# Allegro board RK_EVB1_RK3576_LP4XD200P132SD6_V12_20240530YWQ.brd (continued)
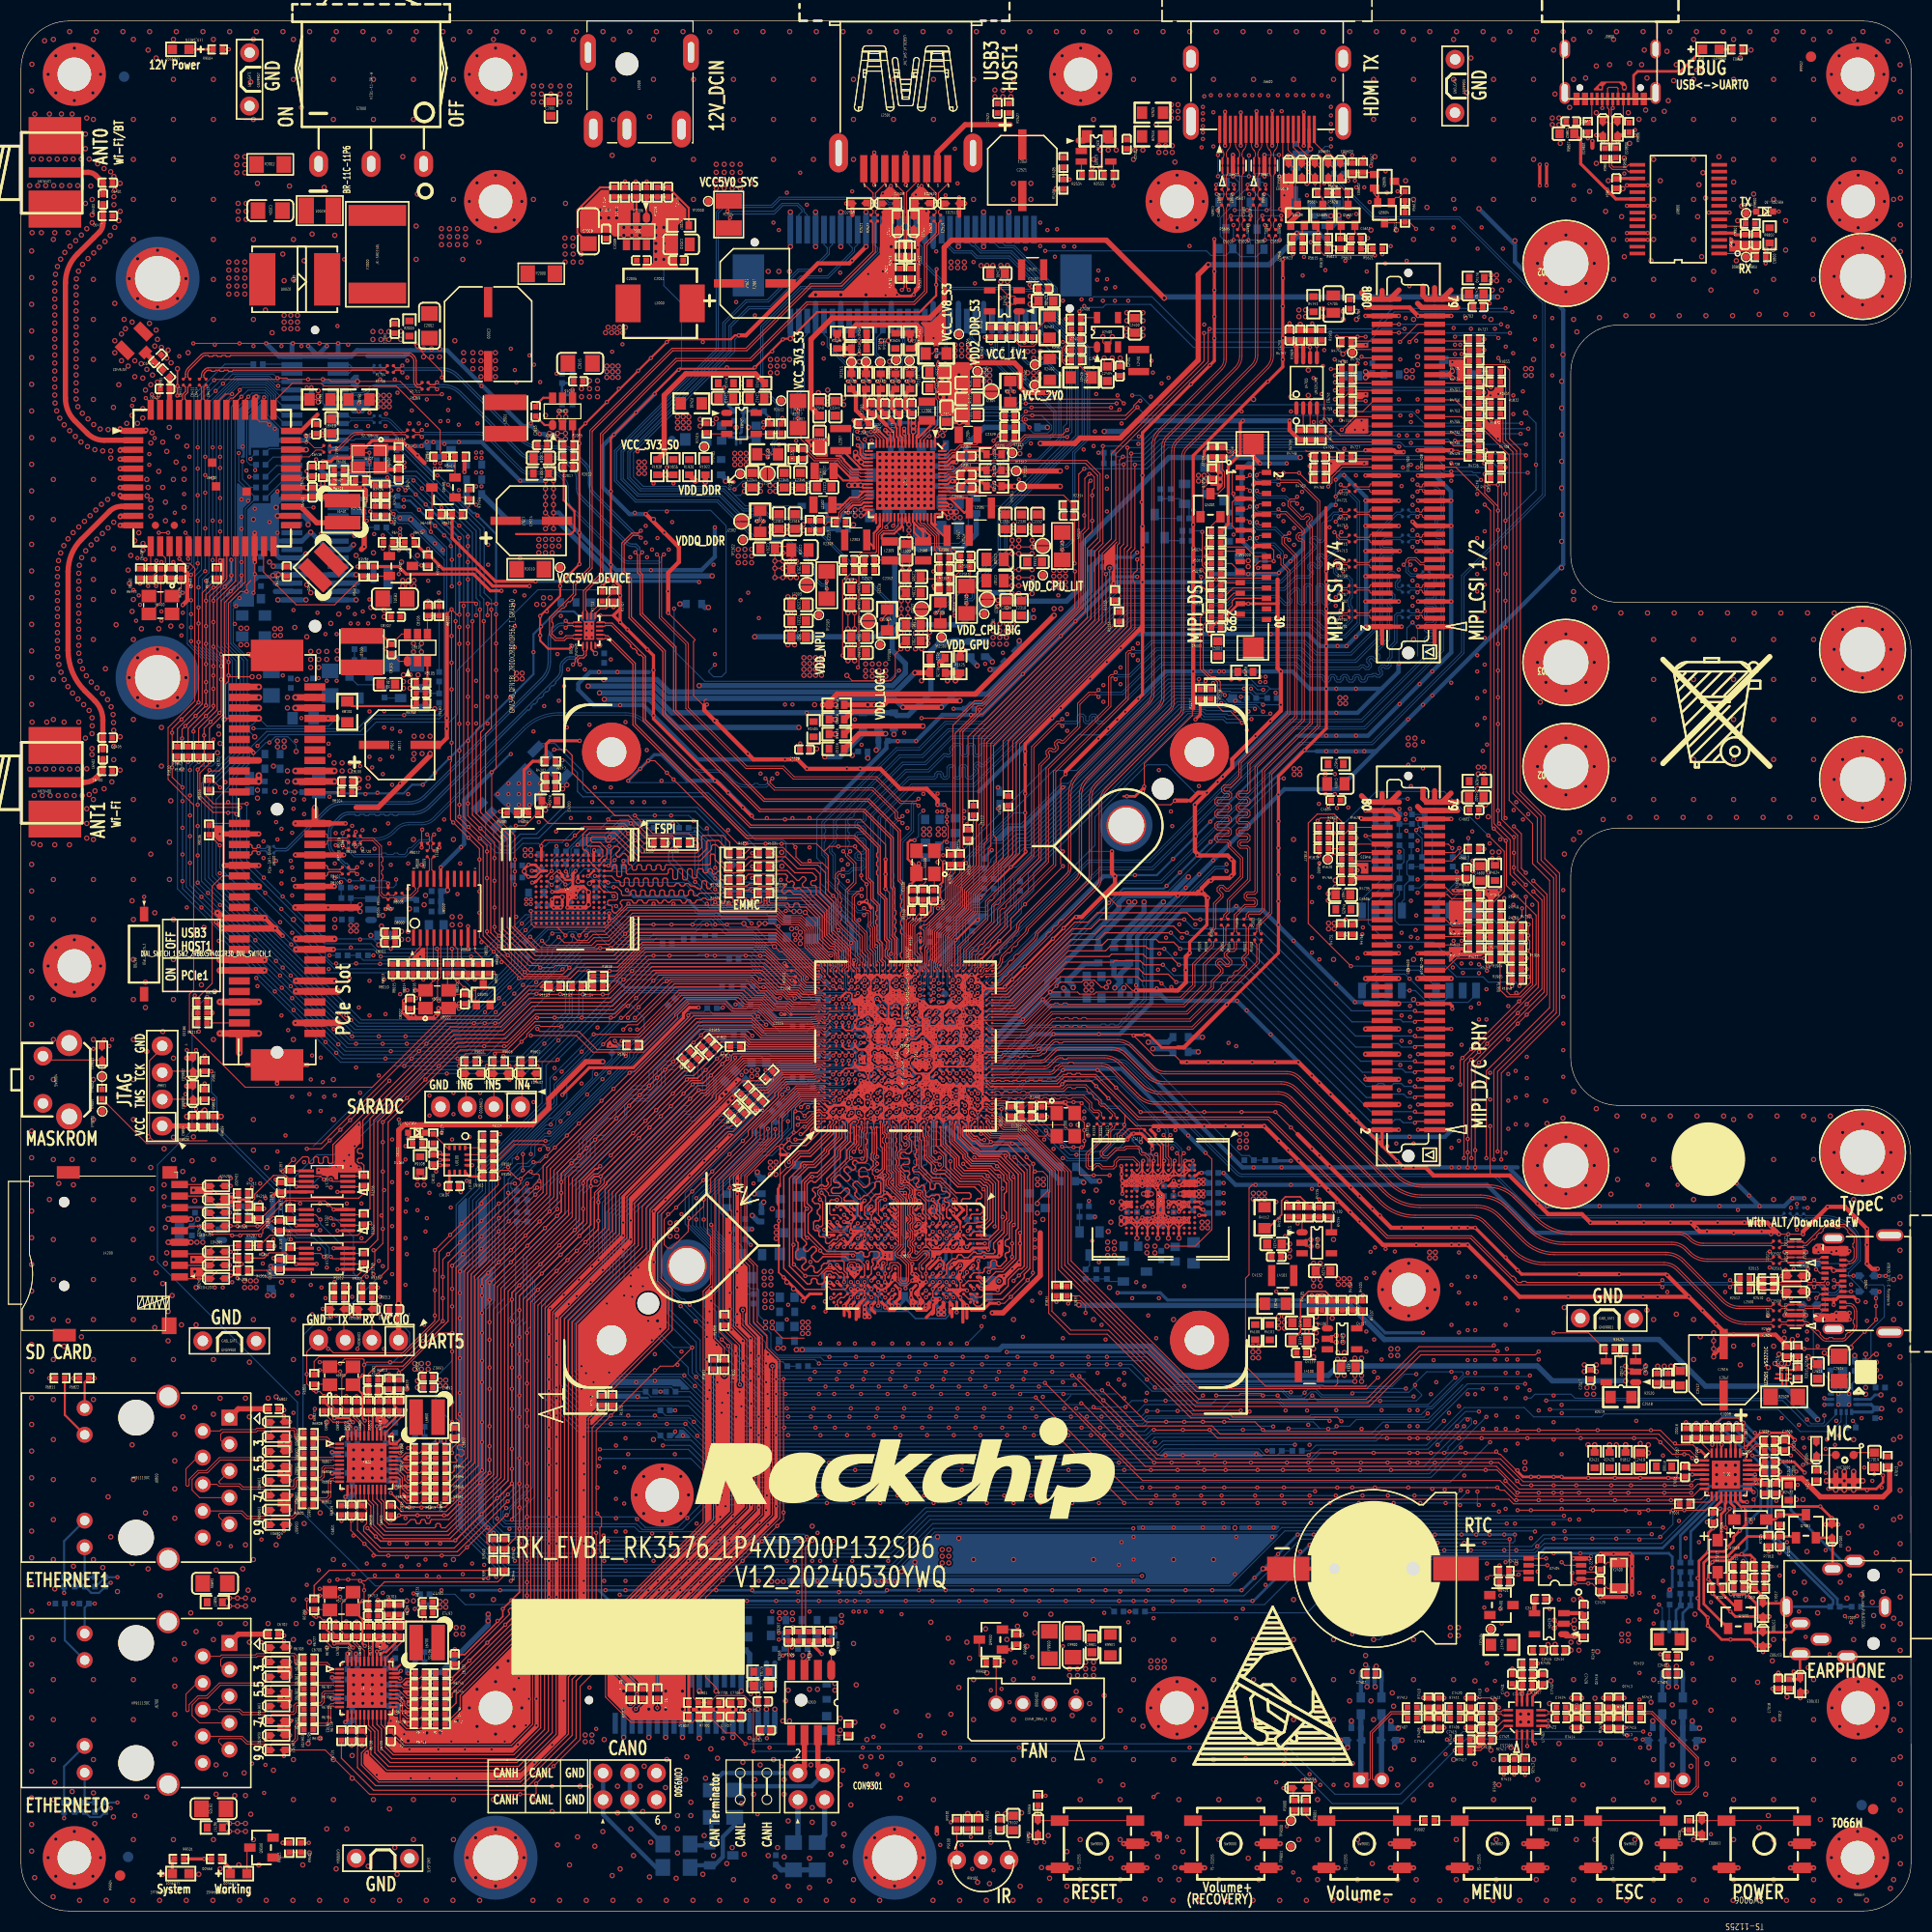
[diagram p0: board, top side]
## Routing (per net, layer and track width the routed paths; a pad name or vN(x,y) marks a point on that pad's centre or on a via; arc(x,y) is an arc through that point) (continued)
v2(85.46,136.9) v2(85.46,136.29) v2(85.46,135.68) v2(85.46,135.07) v2(85.46,134.46) v2(85.46,133.85) v2(85.64,16.71) v2(85.77,117.17) v2(85.91,178.99) v2(85.9,5.08) v2(86.07,138.73) v2(86.07,138.12) v2(86.07,137.51) v2(86.07,136.9) v2(86.07,136.29) v2(86.07,135.68) v2(86.07,135.07) v2(86.07,134.46) v2(86.07,133.85) v2(86.4,18.61) v2(86.68,138.73) v2(86.68,138.12) v2(86.68,137.51) v2(86.68,136.9) v2(86.68,136.29) v2(86.68,135.68) v2(86.68,135.07) v2(86.68,134.46) v2(86.68,133.85) v2(86.65,27.5) v2(86.86,1.01) v2(86.9,174.44) v2(86.9,170.63) v2(86.9,14.42) v2(86.9,10.61) v2(87.29,35.63) v2(87.54,2.73) v2(87.92,16.96) v2(88.31,25.98) v2(88.45,178.99) v2(88.56,18.74) v2(88.69,23.69) v2(89.32,35.5) v2(89.32,21.28) v2(89.4,1.01) v2(90.08,25.6) v2(90.34,24.07) v2(90.71,174.44) v2(90.71,163.01) v2(90.71,33.47) v2(90.71,22.04) v2(90.71,18.23) v2(90.71,14.42) v2(90.99,178.99) v2(91.1,2.74) v2(91.86,26.87) v2(91.99,22.68) v2(91.94,1.01) v2(92.24,2.61) v2(92.37,6.55) v2(92.75,173.43) v2(92.75,172.79) v2(93,9.27) v2(93.53,178.99) v2(93.51,173.43) v2(93.51,172.79) v2(93.51,23.82) v2(93.77,9.27) v2(93.89,25.85) v2(94.27,173.43) v2(94.27,172.79) v2(94.48,1.01) v2(94.52,174.44) v2(94.53,164.54) v2(94.53,163.01) v2(94.53,132.02) v2(94.52,56.33) v2(94.52,33.47) v2(94.52,22.04) v2(94.52,18.23) v2(94.52,14.42) v2(94.66,23.69) v2(94.91,27.12) v2(95.16,2.36) v2(95.29,9.34) v2(95.67,28.27) v2(95.8,25.22) v2(96.07,178.99) v2(96.05,132.02) v2(96.05,131.39) v2(96.05,7.18) v2(96.18,164.54) v2(96.18,163.01) v2(96.56,26.49) v2(96.69,6.55) v2(96.79,66.47) v2(97.02,1.01) v2(97.2,4.14) v2(97.32,65.86) v2(97.83,7.18) v2(97.96,3.12) v2(98.08,28.27) v2(98.33,18.23) v2(98.33,14.42) v2(98.42,174.92) v2(98.61,178.99) v2(98.59,164.03) v2(99.15,176.69) v2(99.15,173.15) v2(99.56,1.01) v2(99.61,5.66) v2(99.61,2.36) v2(99.86,23.06) v2(99.86,22.42) v2(100.12,18.61) v2(100.5,20.9) v2(100.62,23.06) v2(100.62,22.42) v2(100.87,10.61) v2(100.87,6.8) v2(100.87,2.99) v2(100.92,177.42) v2(100.92,172.42) v2(101.15,178.99) v2(101.39,23.69) v2(101.39,23.06) v2(101.39,22.42) v2(101.77,19.76) v2(102.02,166.06) v2(102.14,170.63) v2(102.14,166.82) v2(102.14,56.33) v2(102.14,33.47) v2(102.15,23.69) v2(102.15,23.06) v2(102.15,22.42) v2(102.14,14.42) v2(102.1,1.01) v2(102.4,68.65) v2(102.69,176.69) v2(102.69,173.15) v2(102.78,167.71) v2(102.78,166.06) v2(103.16,20.52) v2(103.42,174.92) v2(103.55,167.71) v2(103.55,64.71) v2(103.69,178.99) v2(103.6,88.46) v2(103.67,59.38) v2(103.8,65.6) v2(103.8,5.02) v2(103.93,67.51) v2(104.31,167.71) v2(104.68,10.61) v2(104.68,6.8) v2(104.68,2.99) v2(104.64,1.01) v2(104.94,12.01) v2(105.95,174.44) v2(105.95,166.82) v2(105.95,25.85) v2(105.95,22.04) v2(105.95,18.23) v2(105.95,14.42) v2(106.09,167.71) v2(106.23,178.99) v2(106.85,167.71) v2(106.85,17.6) v2(107.05,1.14) v2(107.23,63.32) v2(107.23,62.68) v2(107.6,162.82) v2(107.6,19.34) v2(107.99,63.32) v2(107.99,62.68) v2(108.12,170.12) v2(108.24,5.15) v2(108.33,164.58) v2(108.33,161.05) v2(108.33,21.11) v2(108.33,17.58) v2(108.49,2.99) v2(108.77,178.99) v2(109.76,174.44) v2(109.76,56.33) v2(109.76,33.47) v2(109.76,25.85) v2(109.76,14.42) v2(109.72,1.01) v2(109.9,166.57) v2(109.9,4.14) v2(110.1,165.32) v2(110.1,160.32) v2(110.1,21.84) v2(110.1,16.84) v2(110.27,10.61) v2(110.27,6.8) v2(110.27,2.99) v2(110.66,5.66) v2(111.31,178.99) v2(111.87,164.58) v2(111.87,161.05) v2(111.87,21.11) v2(111.87,17.58) v2(112.26,1.01) v2(112.6,162.82) v2(112.6,19.34) v2(113.57,174.44) v2(113.57,33.47) v2(113.57,25.85) v2(113.57,22.04) v2(113.57,18.23) v2(113.57,14.42) v2(113.85,178.99) v2(114.08,10.61) v2(114.08,6.8) v2(114.08,2.99) v2(114.21,136.72) v2(114.21,136.09) v2(114.8,1.01) v2(116.39,178.99) v2(116.88,5.02) v2(117.38,174.44) v2(117.38,143.96) v2(117.38,25.85) v2(117.38,22.04) v2(117.38,18.23) v2(117.34,1.01) v2(117.89,10.61) v2(117.89,2.99) v2(118.93,178.99) v2(119.88,1.01) v2(120.31,14.04) v2(120.44,164.03) v2(120.82,62.94) v2(120.82,62.3) v2(120.94,144.22) v2(121.19,174.44) v2(121.19,102.05) v2(121.19,98.24) v2(121.19,94.43) v2(121.19,29.66) v2(121.19,25.85) v2(121.19,22.04) v2(121.19,18.23) v2(121.47,178.99) v2(121.7,6.8) v2(121.7,2.99) v2(122.09,12.39) v2(122.47,164.54) v2(122.47,55.19) v2(122.42,1.01) v2(122.6,146.76) v2(122.6,144.34) v2(123.1,53.54) v2(123.1,52.78) v2(123.36,56.59) v2(123.36,55.82) v2(123.36,55.06) v2(123.36,54.3) v2(123.49,63.95) v2(123.49,63.32) v2(123.48,10.61) v2(123.48,6.8) v2(123.48,2.99) v2(124.01,178.99) v2(124.02,152.6) v2(124.02,151.84) v2(124.51,96.89) v2(124.51,96.26) v2(124.96,1.01) v2(125,174.44) v2(125,90.62) v2(125,63.95) v2(125,29.66) v2(125,25.85) v2(125,22.04) v2(125,18.23) v2(125,14.42) v2(125.17,98.16) v2(125.17,97.53) v2(125.39,53.18) v2(125.92,152.34) v2(125.92,151.58) v2(125.9,54.81) v2(125.9,54.17) v2(126.02,53.18) v2(126.02,51.02) v2(126.28,12.01) v2(126.55,178.99) v2(126.53,20.01) v2(126.79,22.8) v2(126.79,14.04) v2(127.19,152.34) v2(127.19,151.58) v2(127.29,6.8) v2(127.29,2.99) v2(127.5,1.01) v2(128.06,24.33) v2(128.06,23.44) v2(128.56,160.09) v2(128.56,20.01) v2(128.69,4.52) v2(128.81,174.44) v2(128.81,170.63) v2(128.81,18.23) v2(128.95,167.08) v2(129.09,178.99) v2(129.66,59.18) v2(130.04,1.01) v2(130.4,60.95) v2(130.4,57.41) v2(130.47,13.53) v2(130.6,20.77) v2(130.72,19.5) v2(130.98,160.09) v2(131.1,12.01) v2(131.1,2.99) v2(131.63,178.99) v2(131.87,164.79) v2(132.16,61.68) v2(132.16,56.68) v2(132.58,1.01) v2(132.62,178.25) v2(132.62,174.44) v2(132.62,170.63) v2(132.62,166.82) v2(132.62,163.01) v2(132.62,159.2) v2(132.62,151.58) v2(132.62,121.1) v2(132.62,109.67) v2(132.62,90.62) v2(132.62,86.81) v2(132.62,29.66) v2(132.62,25.85) v2(132.62,22.04) v2(132.62,14.42) v2(132.62,10.61) v2(132.88,2.99) v2(133.01,148.03) v2(133.01,147.26) v2(133.9,162.25) v2(133.93,60.95) v2(133.93,57.41) v2(134.17,178.99) v2(134.28,12.01) v2(134.66,59.18) v2(135.12,1.01) v2(136.43,178.25) v2(136.43,174.44) v2(136.43,166.82) v2(136.43,163.01) v2(136.43,159.2) v2(136.43,22.04) v2(136.43,14.42) v2(136.43,10.61) v2(136.69,6.8) v2(136.69,2.99) v2(136.71,178.99) v2(137.66,1.01) v2(137.71,173.17) v2(138.09,176.47) v2(138.47,21.92) v2(138.47,14.04) v2(138.72,106.88) v2(138.72,104.21) v2(139.25,178.99) v2(139.49,105.35) v2(139.74,104.21) v2(139.99,151.58) v2(139.99,15.31) v2(140.12,154.38) v2(140.24,178.25) v2(140.24,174.44) v2(140.24,170.63) v2(140.24,166.82) v2(140.24,163.01) v2(140.24,14.42) v2(140.24,10.61) v2(140.2,1.01) v2(140.5,6.8) v2(140.5,2.99) v2(140.76,12.01) v2(141.01,154.38) v2(141.52,20.65) v2(141.79,178.99) v2(141.9,15.57) v2(142.28,159.08) v2(142.74,1.01) v2(142.82,18.76) v2(142.82,18) v2(143.58,18.76) v2(143.58,18) v2(144.05,178.25) v2(144.05,174.44) v2(144.05,170.63) v2(144.05,166.82) v2(144.05,163.01) v2(144.05,147.77) v2(144.05,14.42) v2(144.05,10.61) v2(144.33,178.99) v2(144.31,2.99) v2(144.43,156.92) v2(144.43,118.91) v2(144.43,109) v2(144.43,71) v2(144.44,12.52) v2(144.69,115.13) v2(145.23,158.82) v2(145.23,155.02) v2(145.23,120.81) v2(145.23,117.01) v2(145.23,110.9) v2(145.23,107.1) v2(145.2,77.16) v2(145.23,72.9) v2(145.23,69.1) v2(145.28,1.01) v2(145.33,75) v2(145.58,19.76) v2(145.71,21.92) v2(145.84,170.76) v2(145.84,170.12) v2(145.96,177.24) v2(146.09,173.05) v2(146.47,170.76) v2(146.47,170.12) v2(146.47,15.95) v2(146.6,168.35) v2(146.73,145.69) v2(146.73,143.15) v2(146.73,140.61) v2(146.73,138.07) v2(146.73,135.53) v2(146.73,132.99) v2(146.73,130.45) v2(146.73,127.92) v2(146.87,178.99) v2(146.86,148.23) v2(146.85,75.51) v2(146.99,100.66) v2(146.98,57.48) v2(147.13,159.62) v2(147.13,154.22) v2(147.13,121.61) v2(147.13,116.21) v2(147.13,111.7) v2(147.13,106.3) v2(147.13,73.7) v2(147.13,68.3) v2(147.49,171.78) v2(147.86,178.25) v2(147.86,174.44) v2(147.86,163.01) v2(147.86,151.58) v2(147.86,125.65) v2(147.86,124.91) v2(147.86,102.05) v2(147.87,78.05) v2(147.86,29.66) v2(147.86,22.04) v2(147.86,14.42) v2(147.86,10.61) v2(147.86,2.99) v2(147.82,1.01) v2(148.18,150.39) v2(148.12,6.8) v2(148.45,102.74) v2(148.76,12.01) v2(149.01,174.57) v2(149.03,158.81) v2(149.03,155.02) v2(149.03,120.8) v2(149.03,117.01) v2(149.03,110.89) v2(149.03,107.1) v2(149.03,72.89) v2(149.03,69.1) v2(149.41,178.99) v2(149.39,163.77) v2(149.83,156.92) v2(149.88,124.11) v2(149.83,118.91) v2(149.83,109) v2(149.83,71) v2(149.9,20.26) v2(149.9,6.8) v2(150.03,175.71) v2(150.03,171.27) v2(150.03,166.44) v2(150.03,76.41) v2(150.15,24.71) v2(150.33,151.75) v2(150.36,1.01) v2(150.41,173.68) v2(150.41,15.95) v2(150.68,103.95) v2(150.92,161.87) v2(151.17,164.79) v2(151.3,175.84) v2(151.42,68.27) v2(151.67,178.25) v2(151.67,159.2) v2(151.67,155.39) v2(151.67,109.67) v2(151.67,105.86) v2(151.67,22.04) v2(151.67,14.42) v2(151.67,10.61) v2(151.67,2.99) v2(151.95,178.99) v2(151.93,72.46) v2(152,75.71) v2(152.06,69.67) v2(152.37,123.62) v2(152.44,161.36) v2(152.57,164.03) v2(152.69,173.68) v2(152.69,166.95) v2(152.69,157.55) v2(152.85,151.94) v2(152.9,1.01) v2(153.08,171.27) v2(153.08,27.63) v2(153.2,175.97) v2(153.2,168.35) v2(153.21,104.15) v2(153.71,6.8) v2(154.09,170.63) v2(154.22,44.52) v2(154.35,175.84) v2(154.49,178.99) v2(154.54,75.71) v2(154.6,177.24) v2(154.73,171.52) v2(154.73,51.25) v2(154.85,174.57) v2(154.85,57.22) v2(154.85,12.26) v2(154.91,123.62) v2(154.98,44.39) v2(154.98,43.63) v2(155.23,157.17) v2(155.23,19.88) v2(155.39,151.94) v2(155.48,170.63) v2(155.48,166.82) v2(155.48,163.01) v2(155.49,161.36) v2(155.48,159.2) v2(155.48,155.39) v2(155.48,121.1) v2(155.48,117.29) v2(155.48,113.48) v2(155.48,109.67) v2(155.48,105.86) v2(155.48,75.38) v2(155.48,71.57) v2(155.48,56.33) v2(155.48,22.04) v2(155.48,14.42) v2(155.48,10.61) v2(155.48,2.99) v2(155.44,1.01) v2(155.75,104.15) v2(155.74,28.52) v2(156.12,164.79) v2(156.5,171.39) v2(156.76,177.11) v2(156.89,172.41) v2(157.03,178.99) v2(157.08,75.71) v2(157.27,19.63) v2(157.27,15.82) v2(157.27,13.91) v2(157.39,174.32) v2(157.45,123.62) v2(157.39,17.98) v2(157.65,175.84) v2(157.65,56.84) v2(157.93,151.94) v2(157.9,41.47) v2(157.9,10.36) v2(157.98,1.01) v2(158.29,104.15) v2(159.04,13.79) v2(159.29,178.25) v2(159.29,174.44) v2(159.29,170.63) v2(159.29,166.82) v2(159.29,163.01) v2(159.29,159.2) v2(159.29,155.39) v2(159.29,121.1) v2(159.29,117.29) v2(159.29,109.67) v2(159.29,105.86) v2(159.29,71.57) v2(159.29,67.76) v2(159.29,56.33) v2(159.29,52.52) v2(159.29,25.85) v2(159.29,22.04) v2(159.29,6.8) v2(159.29,2.99) v2(159.43,28.27) v2(159.43,19.88) v2(159.57,178.99) v2(159.68,161.36) v2(159.62,75.71) v2(159.81,164.41) v2(159.99,123.62) v2(159.93,54.68) v2(160.06,157.55) v2(160.19,165.55) v2(160.44,163.14) v2(160.47,151.94) v2(160.44,11.12) v2(160.57,14.04) v2(160.52,1.01) v2(160.83,104.15) v2(160.95,154.38) v2(160.95,24.07) v2(160.95,19.12) v2(161.2,156.15) v2(161.49,42.45) v2(161.49,41.56) v2(161.49,40.67) v2(161.71,167.08) v2(162.11,178.99) v2(162.16,75.71) v2(162.38,42.45) v2(162.38,41.56) v2(162.38,40.67) v2(162.53,123.62) v2(163.01,151.94) v2(163.06,1.01) v2(163.1,178.25) v2(163.1,174.44) v2(163.1,170.63) v2(163.1,166.82) v2(163.11,164.66) v2(163.1,163.01) v2(163.11,158.69) v2(163.1,121.1) v2(163.1,117.29) v2(163.1,113.48) v2(163.1,109.67) v2(163.1,105.86) v2(163.1,75.38) v2(163.1,71.57) v2(163.1,67.76) v2(163.11,53.79) v2(163.1,22.04) v2(163.1,18.23) v2(163.1,14.42) v2(163.1,10.61) v2(163.1,6.8) v2(163.1,2.99) v2(163.27,42.45) v2(163.27,41.56) v2(163.27,40.67) v2(163.36,157.17) v2(163.37,104.15) v2(163.49,160.98) v2(163.74,176.47) v2(163.74,52.01) v2(163.87,162.37) v2(164.65,178.99) v2(164.76,177.24) v2(164.7,75.71) v2(165.01,163.52) v2(165.07,123.62) v2(165.27,154.25) v2(165.39,21.79) v2(165.55,152.06) v2(165.52,7.95) v2(165.6,1.01) v2(165.91,104.15) v2(166.03,161.62) v2(166.41,51.76) v2(166.41,9.09) v2(166.79,23.82) v2(166.91,178.25) v2(166.91,174.44) v2(166.91,170.63) v2(166.91,166.82) v2(166.91,163.01) v2(166.91,155.39) v2(166.91,121.1) v2(166.91,117.29) v2(166.91,113.48) v2(166.91,109.67) v2(166.91,105.86) v2(166.91,71.57) v2(166.91,67.76) v2(166.92,53.79) v2(166.91,25.85) v2(166.91,18.23) v2(166.91,14.42) v2(166.91,10.61) v2(166.91,6.8) v2(166.91,2.99) v2(167.19,178.99) v2(167.24,75.71) v2(167.43,53.03) v2(167.61,123.62) v2(167.93,54.55) v2(168.06,160.98) v2(168.06,158.19) v2(168.09,152.06) v2(168.19,20.39) v2(168.14,1.01) v2(168.45,104.15) v2(168.7,54.43) v2(168.95,30.3) v2(169.73,178.99) v2(169.78,75.71) v2(169.84,31.31) v2(169.97,29.66) v2(170.15,123.62) v2(170.09,34.23) v2(170.22,23.19) v2(170.63,152.06) v2(170.68,1.01) v2(170.72,178.25) v2(170.72,174.44) v2(170.72,170.63) v2(170.72,166.82) v2(170.72,163.01) v2(170.72,159.2) v2(170.72,155.39) v2(170.72,121.1) v2(170.72,117.29) v2(170.72,113.48) v2(170.72,109.67) v2(170.72,105.86) v2(170.72,75.38) v2(170.72,71.57) v2(170.72,67.76) v2(170.72,22.04) v2(170.72,18.23) v2(170.72,14.42) v2(170.72,10.61) v2(170.72,2.99) v2(170.99,104.15) v2(171.11,28.39) v2(171.36,8.71) v2(171.62,29.66) v2(172.27,178.99) v2(172.32,75.71) v2(172.42,174.92) v2(172.47,162.82) v2(172.47,19.34) v2(172.42,5.08) v2(172.68,155.68) v2(172.69,123.62) v2(172.68,120.15) v2(172.68,107.77) v2(172.68,72.24) v2(173.15,176.69) v2(173.15,173.15) v2(173.15,6.85) v2(173.15,3.31) v2(173.2,164.58) v2(173.2,161.05) v2(173.27,31.31) v2(173.27,22.93) v2(173.2,21.11) v2(173.2,17.58) v2(173.22,1.01) v2(173.49,157.58) v2(173.48,153.78) v2(173.49,122.05) v2(173.48,118.25) v2(173.49,109.67) v2(173.48,105.87) v2(173.49,74.14) v2(173.48,70.34) v2(173.9,29.79) v2(174.03,36.01) v2(174.03,34.49) v2(174.53,178.25) v2(174.53,166.82) v2(174.53,113.48) v2(174.53,67.76) v2(174.53,44.9) v2(174.53,25.85) v2(174.53,14.42) v2(174.92,177.42) v2(174.92,172.42) v2(174.97,165.32) v2(174.97,160.32) v2(174.97,21.84) v2(174.97,16.84) v2(174.92,7.58) v2(174.92,2.58) v2(175.38,158.38) v2(175.38,152.98) v2(175.38,122.85) v2(175.38,117.45) v2(175.38,110.47) v2(175.38,105.07) v2(175.38,74.94) v2(175.38,69.54) v2(175.3,36.65) v2(175.3,30.17) v2(175.43,178.99) v2(175.43,23.44) v2(175.76,1.03) v2(176.32,29.41) v2(176.44,28.14) v2(176.69,176.69) v2(176.69,173.15) v2(176.69,6.85) v2(176.69,3.31) v2(176.74,164.58) v2(176.74,161.05) v2(176.7,38.43) v2(176.7,34.11) v2(176.74,21.11) v2(176.74,17.58) v2(177.08,50.87) v2(177.28,157.58) v2(177.28,153.78) v2(177.28,122.05) v2(177.28,118.25) v2(177.28,109.67) v2(177.28,105.87) v2(177.28,74.14) v2(177.28,70.34) v2(177.33,30.42) v2(177.33,27.12) v2(177.42,174.92) v2(177.47,162.82) v2(177.47,19.34) v2(177.42,5.08) v2(177.8,178.08) v2(178.08,155.68) v2(178.08,120.15) v2(178.08,107.77) v2(178.08,72.24) v2(178.04,2.15) v2(178.34,174.44) v2(178.34,170.63) v2(178.34,166.82) v2(178.34,163.01) v2(178.34,159.2) v2(178.34,113.48) v2(178.34,67.76) v2(178.34,60.14) v2(178.34,56.33) v2(178.34,48.71) v2(178.34,44.9) v2(178.34,37.28) v2(178.34,33.47) v2(178.35,27.88) v2(178.34,25.85) v2(178.34,22.04) v2(178.34,18.23) v2(178.34,14.42) v2(178.34,10.61) v2(178.34,6.8) v2(178.34,2.99) v2(178.97,175.82) v2(178.99,173.28) v2(178.99,170.74) v2(178.99,168.2) v2(178.99,165.66) v2(178.99,163.12) v2(178.99,160.58) v2(178.99,158.04) v2(178.99,115.58) v2(178.99,113.04) v2(178.99,110.5) v2(178.95,68.01) v2(178.95,65.47) v2(178.95,62.93) v2(178.95,60.39) v2(178.96,57.85) v2(178.96,52.77) v2(178.96,50.23) v2(178.96,47.69) v2(178.96,45.15) v2(178.97,42.61) v2(178.97,40.07) v2(178.97,37.53) v2(178.97,34.99) v2(178.97,32.45) v2(178.97,29.91) v2(178.97,27.37) v2(178.98,24.83) v2(178.98,22.29) v2(178.98,19.75) v2(178.98,17.21) v2(178.98,14.67) v2(178.98,12.13) v2(178.98,9.59) v2(178.99,7.05) v2(178.99,4.51)
